# Altium PCB NURIP.PcbDoc (part 9 of 14) (continued)
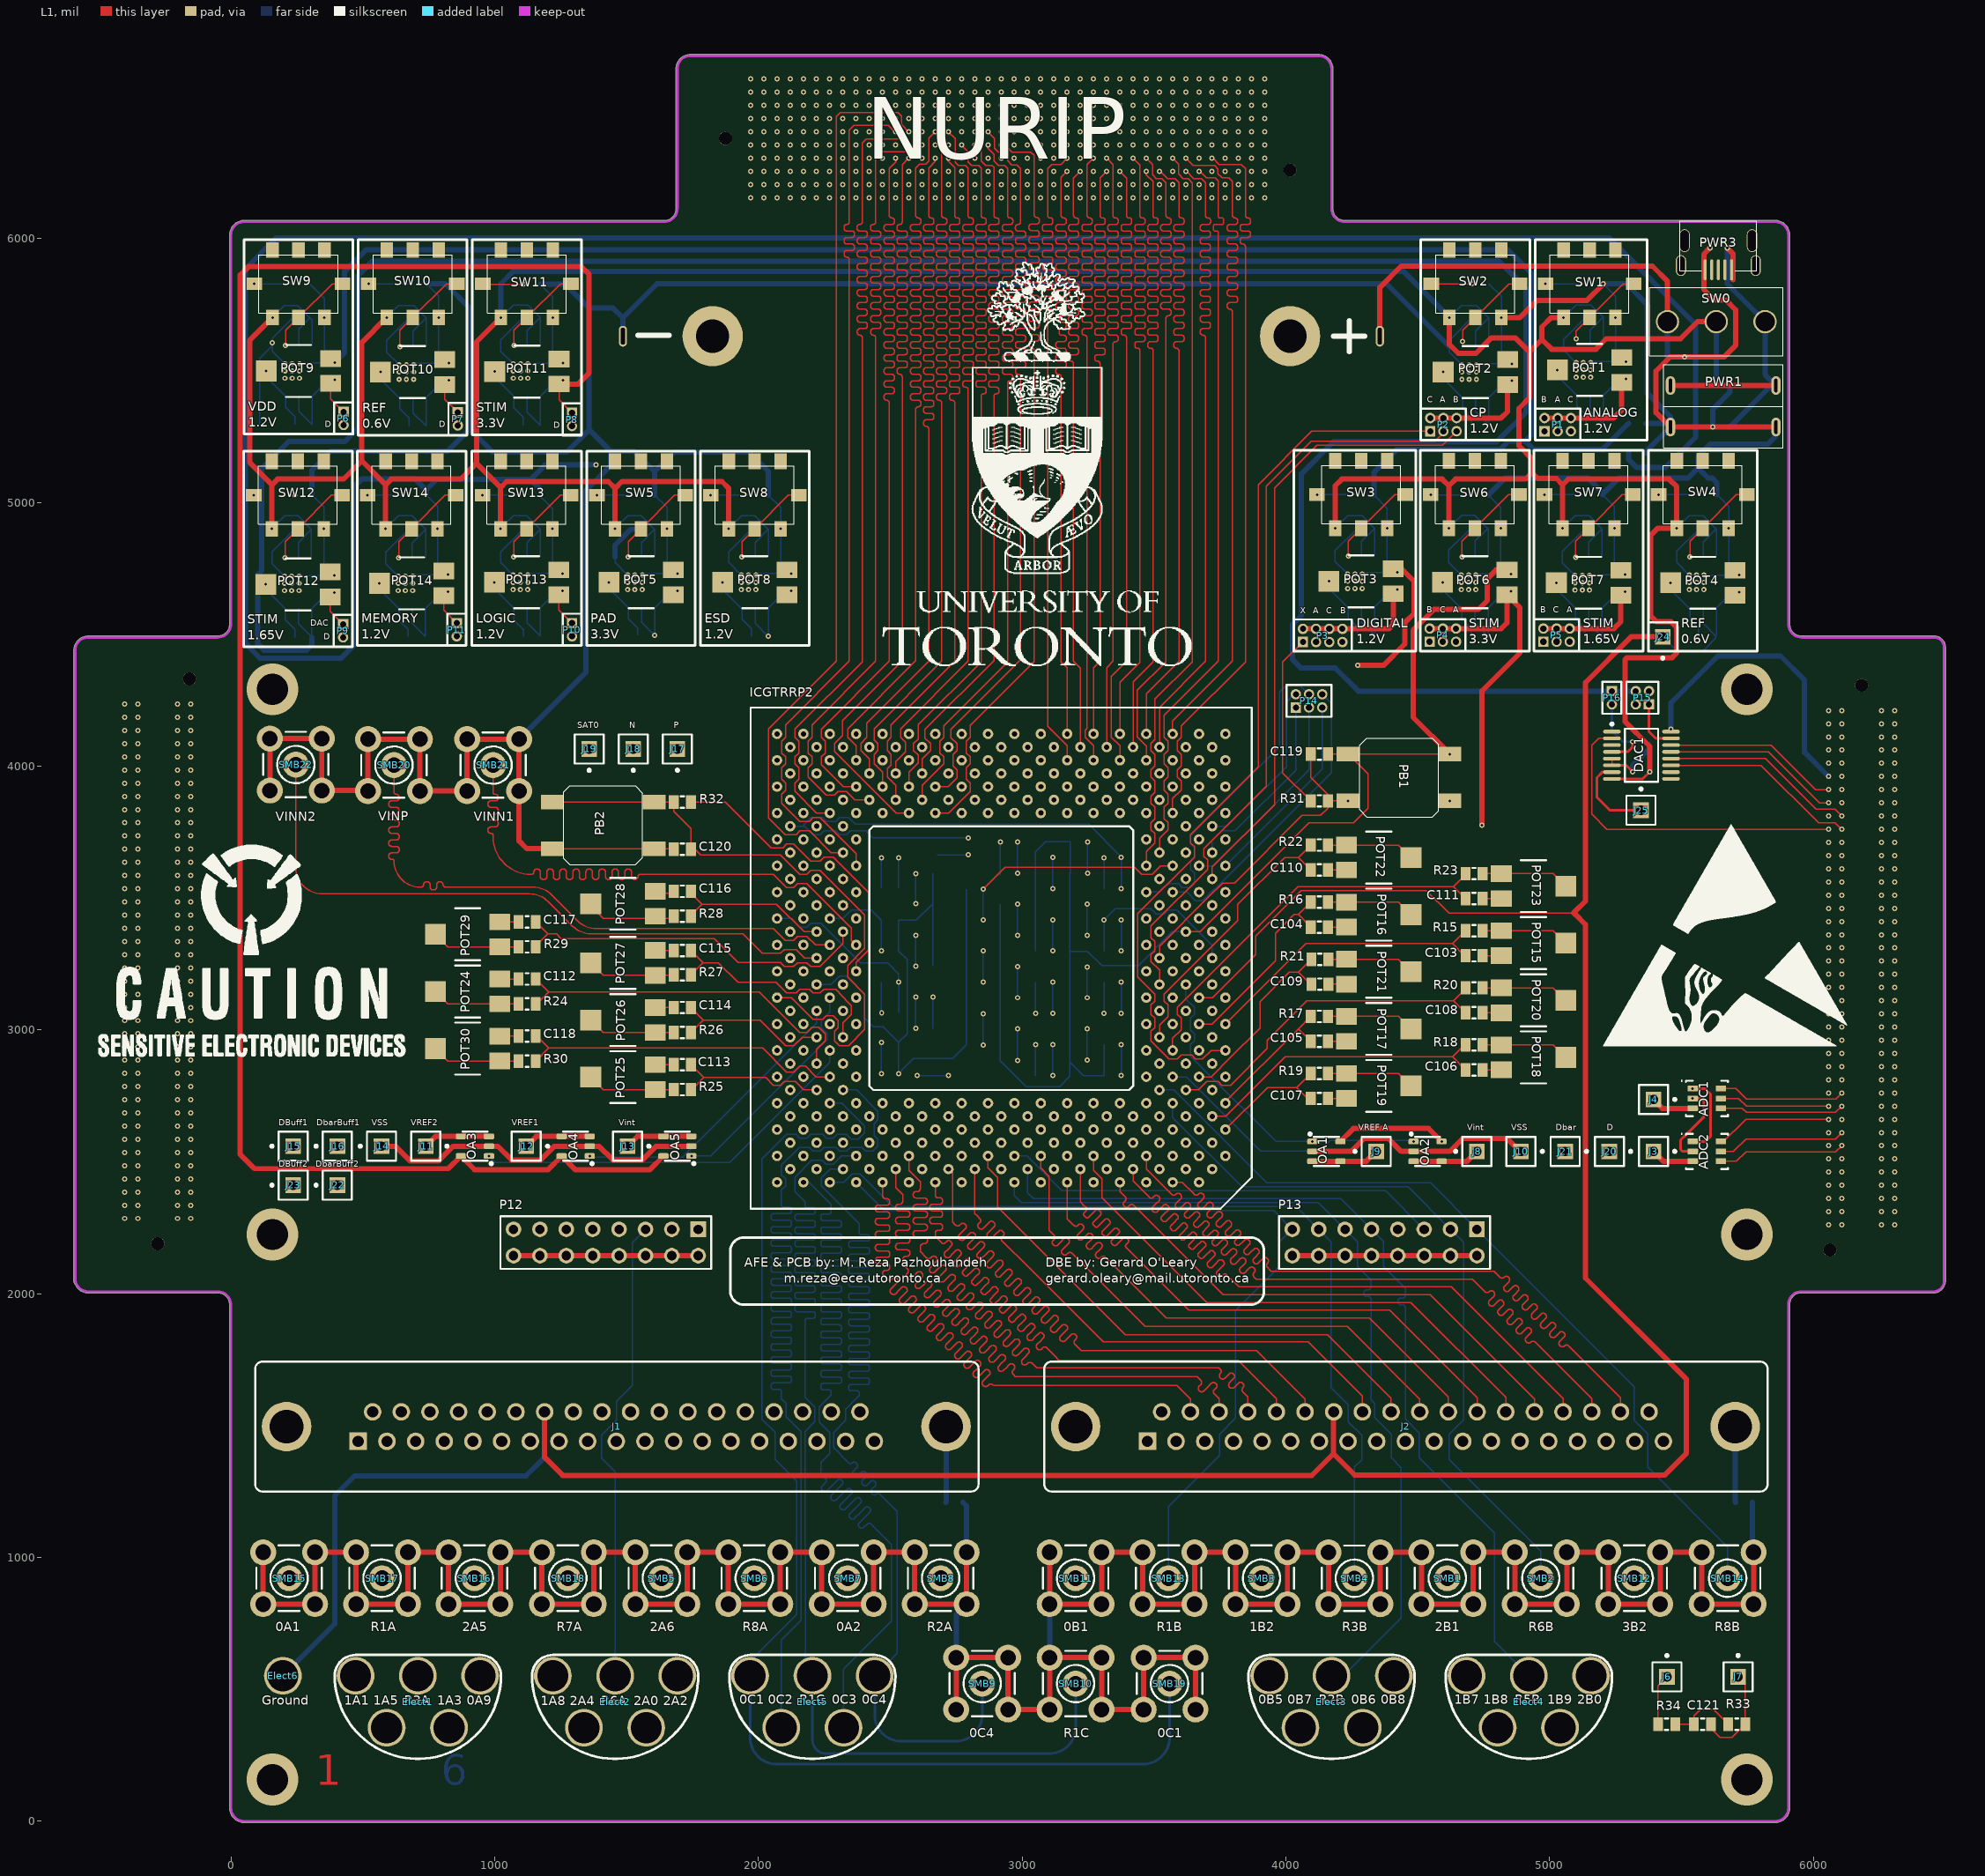
[diagram p0: L1 view]
## Nets (pads, with @x,y where several pads share a name; then routed paths per layer and width w, separated by ;. In a path a pad name is that pad's centre, name@x,y a point inside that pad or via, vN(x,y) a via of type N, cw(c..) or ccw(c..) an arc to the next point about the centre after c; other vN are vias at no path point) (continued)
I_UP2: C113.1 ICGTRRP2.H32 R25.1 | length 596.2
  L1 w5: R25.1@1744.09,2773.62 1748.03,2773.62 1793.31,2818.9 ; C113.1@1744.09,2868.11 1793.31,2818.9 ; ICGTRRP2.H32@2220.71,2772.2 2172.68,2772.2 2140.49,2804.39 2098.41,2804.39 2084.04,2790.02 2057.38,2790.02 2028.5,2818.9 1793.31,2818.9
I_UP_A: C110.1 ICGTRRP2.M6 R22.1 | length 1074.9
  L1 w5: ICGTRRP2.M6@3520.71,2972.2 3520.71,3017.72 3552.89,3049.91 3552.89,3094.5 3538.52,3108.87 3538.52,3135.54 3817.89,3414.91 3817.89,3475.37 3996.06,3653.54 4047.24,3653.54 ; C110.1@4094.49,3606.3 4047.24,3653.54 ; R22.1@4094.49,3700.79 4047.24,3653.54
I_UP_B: C107.1 ICGTRRP2.E1 R19.1 | length 482
  L1 w5: ICGTRRP2.E1@3770.71,2622.2 3930,2781.5 4041.34,2781.5 ; C107.1@4094.49,2740.16 4082.68,2740.16 4041.34,2781.5 ; R19.1@4094.49,2834.65 4041.34,2781.5
I_UP_C: C103.1 ICGTRRP2.N1 R15.1 | length 1124.9
  L1 w5: ICGTRRP2.N1@3770.71,3022.2 4075.28,3326.77 4631.89,3326.77 ; C103.1@4681.1,3281.5 4677.17,3281.5 4631.89,3326.77 ; R15.1@4681.1,3375.98 4631.89,3326.77
L\D\A\C\: DAC1.11 FMC2.G10 | length 747.7
  L1 w5: DAC1.11@5460.63,4002.95 5802.17,4002.95 6019.68,3785.43 6082.64,3785.43 6107.2,3760.87 v1(6108.07,3760.87)
LOAD_SPI: FMC2.G21 ICGTRRP2.U5 | length 2843.4
  L4 w5: ICGTRRP2.U5@3570.71,3222.2 3625.19,3222.2 3657.38,3254.39 3684.04,3254.39 3698.41,3240.02 3743.01,3240.02 3757.38,3254.39 3818.44,3254.39 3848.43,3224.41 5554.58,3224.41 cw(c5554.58,3218.54) 5560.45,3218.54 ccw(c5570.33,3218.54) 5570.33,3208.66 5575.26,3208.66 ccw(c5575.26,3218.54) 5585.14,3218.54 5585.14,3227.05 cw(c5595.01,3227.05) 5595.01,3236.92 5599.95,3236.92 cw(c5599.95,3227.05) 5609.82,3227.05 5609.82,3218.54 ccw(c5619.7,3218.54) 5619.7,3208.66 5624.63,3208.66 ccw(c5624.63,3218.54) 5634.51,3218.54 5634.51,3227.05 cw(c5644.38,3227.05) 5644.38,3236.92 5649.32,3236.92 cw(c5649.32,3227.05) 5659.19,3227.05 5659.19,3218.54 ccw(c5669.07,3218.54) 5669.07,3208.66 5674,3208.66 ccw(c5674,3218.54) 5683.88,3218.54 5683.88,3227.05 cw(c5693.75,3227.05) 5693.75,3236.92 5698.69,3236.92 cw(c5698.69,3227.05) 5708.56,3227.05 5708.56,3218.54 ccw(c5718.44,3218.54) 5718.44,3208.66 5723.37,3208.66 ccw(c5723.37,3218.54) 5733.25,3218.54 5733.25,3227.05 cw(c5743.12,3227.05) 5743.12,3236.92 5748.06,3236.92 cw(c5748.06,3227.05) 5757.93,3227.05 5757.93,3218.54 ccw(c5767.81,3218.54) 5767.81,3208.66 5772.74,3208.66 ccw(c5772.74,3218.54) 5782.62,3218.54 5782.62,3227.05 cw(c5792.49,3227.05) 5792.49,3236.92 5797.43,3236.92 cw(c5797.43,3227.05) 5807.3,3227.05 5807.3,3218.54 ccw(c5817.18,3218.54) 5817.18,3208.66 5822.11,3208.66 ccw(c5822.11,3218.54) 5831.99,3218.54 5831.99,3227 cw(c5841.86,3227) 5841.86,3236.87 5846.8,3236.87 cw(c5846.8,3227) 5856.67,3227 5856.67,3218.54 ccw(c5866.55,3218.54) 5866.55,3208.66 5871.48,3208.66 ccw(c5871.48,3218.54) 5881.36,3218.54 cw(c5887.23,3218.54) 5887.23,3224.41 6013.78,3224.41 6022.74,3233.37 6085.57,3233.37 v1(6108.07,3210.87)
N: FMC3.H29 ICGTRRP2.Y34 J18.1 | length 3473.3
  L2 w5: J18.1@1525.59,4064.96 1578.74,4064.96 2202.89,3440.81 2202.89,3399.91 2175.19,3372.2 ICGTRRP2.Y34@2120.71,3372.2
  L4 w5: v1(-152.56,3685.2) -140.59,3673.23 1722.44,3673.23 2023.46,3372.2 ICGTRRP2.Y34@2120.71,3372.2
NetADC1_3: ADC1.3 J4.1 | length 161.5
  L1 w20: J4.1@5393.7,2736.22 5427.17,2702.76 ADC1.3@5541.34,2702.76
NetADC2_3: ADC2.3 J3.1 | length 163.1
  L1 w20: J3.1@5393.7,2539.37 5431.1,2501.97 ADC2.3@5541.34,2501.97
NetC6_2: C6.2 LDO1.3 POT1.2 | length 249.6
  L6 w5: v1(5029.53,5501.97) 5029.53,5478.35 5102.95,5404.92 5102.95,5365.55 5137.8,5330.71 C6.2@5137.8,5297.24
NetC9_2: C9.2 LDO2.3 POT2.2 | length 244.8
  L6 w5: v1(4596.46,5494.09) 4596.46,5468.5 4669.88,5395.08 4669.88,5353.74 4702.76,5320.87 C9.2@4702.76,5293.31
NetC12_2: C12.2 LDO3.3 POT3.2 | length 249.7
  L6 w5: v1(4163.39,4700.79) 4163.39,4673.23 4200.1,4636.52 4200.34,4636.52 4236.81,4600.05 4236.81,4562.4 4271.65,4527.56 C12.2@4271.65,4496.06
NetC15_2: C15.2 LDO4.3 POT4.2 | length 245.1
  L6 w5: v1(5458.66,4694.88) 5458.66,4669.29 5495.37,4632.58 5495.81,4632.58 5532.28,4596.11 5532.28,4556.3 5564.96,4523.62 C15.2@5564.96,4494.09
NetC18_2: C18.2 LDO5.3 POT5.2 | length 245.6
  L6 w5: v1(1433.07,4696.85) 1433.07,4673.82 1506.5,4600.39 1506.5,4558.46 1541.34,4523.62 C18.2@1541.34,4496.06
NetC21_2: C21.2 LDO6.3 POT6.2 | length 249.7
  L6 w5: v1(4594.49,4696.85) 4594.49,4669.29 4631.2,4632.58 4631.44,4632.58 4667.91,4596.11 4667.91,4556.5 4702.76,4521.65 C21.2@4702.76,4492.13
NetC24_2: C24.2 LDO7.3 POT7.2 | length 249.6
  L6 w5: v1(5025.59,4694.88) 5025.59,4671.85 5099.02,4598.43 5099.02,4556.5 5133.86,4521.65 C24.2@5133.86,4490.16
NetC27_2: C27.2 LDO8.3 POT8.2 | length 249.7
  L6 w5: v1(1864.17,4696.85) 1864.17,4669.29 1900.89,4632.58 1901.13,4632.58 1937.6,4596.11 1937.6,4556.5 1972.44,4521.65 C27.2@1972.44,4492.13
NetC68_1: C68.1 C69.1 LDO9.1 LDO9.2 P6.1 POT9.3 | length 473.7
  L1 w5: POT9.3@377.95,5450.79 377.95,5392.52 P6.1@427.17,5343.31
  L6 w5: LDO9.2@257.28,5401.57 257.28,5345.08 C69.1@307.09,5295.28 307.09,5401.38 307.28,5401.57 370.28,5464.57 v1(393.7,5464.57)
NetC69_2: C69.2 LDO9.3 POT9.2 | length 247.6
  L6 w5: v1(133.86,5498.03) 133.86,5475 207.28,5401.57 207.28,5359.65 242.13,5324.8 C69.2@242.13,5295.28
NetC73_1: C73.1 C74.1 LDO10.1 LDO10.2 P7.1 POT10.3 | length 476.5
  L1 w5: POT10.3@811.02,5446.85 811.02,5390.55 P7.1@860.24,5341.34
  L6 w5: LDO10.2@690.35,5397.64 690.35,5339.17 C74.1@740.16,5289.37 740.35,5289.57 740.35,5397.64 805.31,5462.6 v1(826.77,5462.6)
NetC74_2: C74.2 LDO10.3 POT10.2 | length 249.7
  L6 w5: v1(566.93,5494.09) 566.93,5466.54 603.64,5429.82 603.88,5429.82 640.35,5393.35 640.35,5355.71 675.2,5320.87 C74.2@675.2,5289.37
NetC79_2: C79.2 LDO11.3 POT11.2 | length 249.6
  L6 w5: v1(1000,5496.06) 1000,5474.8 1073.23,5401.57 1073.23,5357.87 1108.27,5322.83 C79.2@1108.27,5291.34
NetC84_2: C84.2 LDO12.3 POT12.2 | length 246.4
  L6 w5: v1(131.89,4688.98) 131.89,4669.88 205.32,4596.46 205.32,4554.53 242.13,4517.72 C84.2@242.13,4488.19
NetC89_2: C89.2 LDO13.3 POT13.2 | length 250.4
  L6 w5: v1(999.02,4696.85) 999.02,4672.24 1072.44,4598.82 1072.44,4553.54 1109.25,4516.73 C89.2@1109.25,4492.13
NetC96_2: C96.2 LDO14.3 POT14.2 | length 245.6
  L6 w5: v1(562.99,4692.91) 562.99,4669.88 636.42,4596.46 636.42,4552.56 671.26,4517.72 C96.2@671.26,4492.13
NetC103_2: C103.2 POT15.1 | length 70.9
  L1 w5: C103.2@4746.06,3281.5 POT15.1@4816.93,3281.5
NetC104_2: C104.2 POT16.1 | length 70.9
  L1 w5: C104.2@4159.45,3389.76 POT16.1@4230.31,3389.76
NetC105_2: C105.2 POT17.1 | length 70.9
  L1 w5: C105.2@4159.45,2956.69 POT17.1@4230.31,2956.69
NetC106_2: C106.2 POT18.1 | length 70.9
  L1 w5: C106.2@4746.06,2848.43 POT18.1@4816.93,2848.43
NetC107_2: C107.2 POT19.1 | length 70.9
  L1 w5: C107.2@4159.45,2740.16 POT19.1@4230.31,2740.16
NetC108_2: C108.2 POT20.1 | length 70.9
  L1 w5: C108.2@4746.06,3064.96 POT20.1@4816.93,3064.96
NetC109_2: C109.2 POT21.1 | length 68.9
  L1 w5: C109.2@4161.42,3173.23 POT21.1@4230.31,3173.23
NetC110_2: C110.2 POT22.1 | length 70.9
  L1 w5: C110.2@4159.45,3606.3 POT22.1@4230.31,3606.3
NetC111_2: C111.2 POT23.1 | length 70.9
  L1 w5: C111.2@4746.06,3498.03 POT23.1@4816.93,3498.03
NetC112_2: C112.2 POT24.1 | length 70.9
  L1 w5: POT24.1@1019.69,3192.91 C112.2@1090.55,3192.91
NetC113_2: C113.2 POT25.1 | length 70.9
  L1 w5: POT25.1@1608.27,2868.11 C113.2@1679.13,2868.11
NetC114_2: C114.2 POT26.1 | length 70.9
  L1 w5: POT26.1@1608.27,3084.65 C114.2@1679.13,3084.65
NetC115_2: C115.2 POT27.1 | length 70.9
  L1 w5: POT27.1@1608.27,3301.18 C115.2@1679.13,3301.18
NetC116_2: C116.2 POT28.1 | length 70.9
  L1 w5: POT28.1@1608.27,3517.72 C116.2@1679.13,3517.72
NetC117_2: C117.2 POT29.1 | length 70.9
  L1 w5: POT29.1@1019.69,3409.45 C117.2@1090.55,3409.45
NetC118_2: C118.2 POT30.1 | length 70.9
  L1 w5: POT30.1@1019.69,2976.38 C118.2@1090.55,2976.38
NetC121_1: C121.1 J7.1 R33.2 | length 373.2
  L1 w5: C121.1@5612.2,368.11 5612.2,350.39 5645.67,316.93 5690.94,316.93 R33.2@5742.13,368.11 5742.13,519.69 J7.1@5714.57,547.24
NetC121_2: C121.2 R33.1 R34.2 | length 264.9
  L1 w5: R34.2@5476.38,368.11 C121.2@5547.24,368.11 5547.24,399.61 5570.87,423.23 5622.05,423.23 R33.1@5677.17,368.11
NetC122_1: C122.1 DAC1.4 P16.2 | length 302.4
  L1 w10: DAC1.4@5236.22,4054.13 5296.26,4054.13 5314.96,4072.83 v1(5314.96,4092.52)
  L6 w10: P16.2@5236.22,4234.25 5236.22,4133.86 5277.56,4092.52 v1(5314.96,4092.52)
NetDAC1_7: DAC1.7 J25.1 | length 328.2
  L1 w10: DAC1.7@5236.22,3977.36 5199.8,3977.36 5179.13,3956.69 5179.13,3881.89 5228.35,3832.68 J25.1@5346.46,3832.68
NetDAC1_15: DAC1.15 P15.1 P15.3 | length 247.7
  L1 w10: P15.3@5376.77,4284.25 P15.1@5376.77,4234.25 5376.77,4131.1 5402.56,4105.31 DAC1.15@5460.63,4105.31
NetJ1_GND: J1.GND R36.1 | length 287.8
  L6 w20: R36.1@2710.63,1208.66 2711.5,1209.53 J1.GND@2711.5,1496.07
NetJ2_GND: J2.GND R35.1 | length 287.9
  L6 w20: J2.GND@5703.62,1496.07 5703.62,1209.76 R35.1@5704.72,1208.66
NetJ6_1: J6.1 R34.1 | length 193
  L1 w5: R34.1@5411.42,368.11 5411.42,513.78 J6.1@5444.88,547.24
NetJ8_1: J8.1 OA2.3 OA2.4 | length 255.6
  L1 w20: OA2.3@4484.25,2501.97 OA2.4@4590.55,2501.97 4687.01,2501.97 J8.1@4724.41,2539.37
NetJ9_1: J9.1 OA1.3 OA1.4 | length 257.6
  L1 w20: OA1.3@4100.39,2501.97 OA1.4@4206.69,2501.97 4305.12,2501.97 J9.1@4342.52,2539.37
NetJ11_1: J11.1 OA3.3 OA3.4 | length 255.6
  L1 w20: J11.1@738.19,2559.06 775.59,2596.46 OA3.4@872.05,2596.46 OA3.3@978.35,2596.46
NetJ12_1: J12.1 OA4.3 OA4.4 | length 255.6
  L1 w20: J12.1@1120.08,2559.06 1157.48,2596.46 OA4.4@1253.94,2596.46 OA4.3@1360.24,2596.46
NetJ13_1: J13.1 OA5.3 OA5.4 | length 257.6
  L1 w20: J13.1@1503.94,2559.06 1541.34,2596.46 OA5.4@1639.76,2596.46 OA5.3@1746.06,2596.46
NetLDO1_6: LDO1.6 SW1.2 SW1.7 | length 322.2
  L1 w5: v1(5100.39,5620.08) 5100.39,5649.61 SW1.2@5151.57,5700.79 5279.53,5828.74 SW1.7@5318.9,5828.74
NetLDO2_6: LDO2.6 SW2.2 SW2.7 | length 331
  L1 w5: v1(4669.88,5610.24) 4669.88,5652.17 SW2.2@4718.5,5700.79 4846.46,5828.74 SW2.7@4885.83,5828.74
NetLDO3_6: LDO3.6 SW3.2 SW3.7 | length 344.8
  L1 w5: v1(4236.81,4797.24) 4236.81,4852.95 SW3.2@4285.43,4901.57 4413.39,5029.53 SW3.7@4452.76,5029.53
NetLDO4_6: LDO4.6 SW4.2 SW4.7 | length 348.6
  L1 w5: v1(5532.28,4793.31) 5532.28,4853.15 SW4.2@5580.71,4901.57 5708.66,5029.53 SW4.7@5748.03,5029.53
NetLDO5_6: LDO5.6 SW5.2 SW5.7 | length 346.8
  L1 w5: v1(1506.5,4793.31) 1506.5,4850.98 SW5.2@1555.12,4899.61 1683.07,5027.56 SW5.7@1722.44,5027.56
NetLDO6_6: LDO6.6 SW6.2 SW6.7 | length 348.7
  L1 w5: v1(4667.91,4793.31) 4667.91,4852.95 SW6.2@4716.54,4901.57 4844.49,5029.53 SW6.7@4883.86,5029.53
NetLDO7_6: LDO7.6 SW7.2 SW7.7 | length 350.7
  L1 w5: v1(5099.02,4791.34) 5099.02,4852.95 SW7.2@5147.64,4901.57 5275.59,5029.53 SW7.7@5314.96,5029.53
NetLDO8_6: LDO8.6 SW8.2 SW8.7 | length 346.8
  L1 w5: v1(1937.6,4793.31) 1937.6,4850.98 SW8.2@1986.22,4899.61 2114.17,5027.56 SW8.7@2153.54,5027.56
NetLDO9_6: LDO9.6 SW9.2 SW9.7 | length 346.8
  L1 w5: v1(207.28,5594.49) 207.28,5652.17 SW9.2@255.91,5700.79 383.86,5828.74 SW9.7@423.23,5828.74
NetLDO10_6: LDO10.6 SW10.2 SW10.7 | length 350.7
  L1 w5: v1(640.35,5590.55) 640.35,5652.17 SW10.2@688.98,5700.79 816.93,5828.74 SW10.7@856.3,5828.74
NetLDO11_6: LDO11.6 SW11.2 SW11.7 | length 346.8
  L1 w5: v1(1073.23,5594.49) 1073.23,5651.97 SW11.2@1122.05,5700.79 1250,5828.74 SW11.7@1289.37,5828.74
NetLDO12_6: LDO12.6 SW12.2 SW12.7 | length 350.7
  L1 w5: v1(205.32,4789.37) 205.32,4850.98 SW12.2@253.94,4899.61 381.89,5027.56 SW12.7@421.26,5027.56
NetLDO13_6: LDO13.6 SW13.2 SW13.7 | length 346.8
  L1 w5: v1(1072.44,4793.31) 1072.44,4850.98 SW13.2@1121.06,4899.61 1249.02,5027.56 SW13.7@1288.39,5027.56
NetLDO14_6: LDO14.6 SW14.2 SW14.7 | length 350.7
  L1 w5: v1(636.42,4789.37) 636.42,4850.98 SW14.2@685.04,4899.61 812.99,5027.56 SW14.7@852.36,5027.56
NetP12_2: P12.2 P12.4 P12.6 P12.8 P12.10 P12.12 P12.14 P12.16 | length 700
  L1 w20: P12.16@1071.65,2144.09 P12.14@1171.65,2144.09 P12.12@1271.65,2144.09 P12.10@1371.65,2144.09 P12.8@1471.65,2144.09 P12.6@1571.65,2144.09 P12.4@1671.65,2144.09 P12.2@1771.65,2144.09
NetP13_2: P13.2 P13.4 P13.6 P13.8 P13.10 P13.12 P13.14 P13.16 | length 700
  L1 w20: P13.16@4024.41,2144.09 P13.14@4124.41,2144.09 P13.12@4224.41,2144.09 P13.10@4324.41,2144.09 P13.8@4424.41,2144.09 P13.6@4524.41,2144.09 P13.4@4624.41,2144.09 P13.2@4724.41,2144.09
NetPOT15_2: POT15.2 POT15.3 R15.2 | length 334.5
  L1 w5: R15.2@4746.06,3375.98 POT15.3@4816.93,3375.98 5013.78,3375.98 POT15.2@5061.02,3328.74
NetPOT16_2: POT16.2 POT16.3 R16.2 | length 334.5
  L1 w5: R16.2@4159.45,3484.25 POT16.3@4230.31,3484.25 4427.17,3484.25 POT16.2@4474.41,3437.01
NetPOT17_2: POT17.2 POT17.3 R17.2 | length 334.5
  L1 w5: R17.2@4159.45,3051.18 POT17.3@4230.31,3051.18 4427.17,3051.18 POT17.2@4474.41,3003.94
NetPOT18_2: POT18.2 POT18.3 R18.2 | length 334.5
  L1 w5: R18.2@4746.06,2942.91 POT18.3@4816.93,2942.91 5013.78,2942.91 POT18.2@5061.02,2895.67
NetPOT19_2: POT19.2 POT19.3 R19.2 | length 334.5
  L1 w5: R19.2@4159.45,2834.65 POT19.3@4230.31,2834.65 4427.17,2834.65 POT19.2@4474.41,2787.4
NetPOT20_2: POT20.2 POT20.3 R20.2 | length 334.5
  L1 w5: R20.2@4746.06,3159.45 POT20.3@4816.93,3159.45 5013.78,3159.45 POT20.2@5061.02,3112.2
NetPOT21_2: POT21.2 POT21.3 R21.2 | length 332.6
  L1 w5: R21.2@4161.42,3267.72 POT21.3@4230.31,3267.72 4427.17,3267.72 POT21.2@4474.41,3220.47
NetPOT22_2: POT22.2 POT22.3 R22.2 | length 334.5
  L1 w5: R22.2@4159.45,3700.79 POT22.3@4230.31,3700.79 4427.17,3700.79 POT22.2@4474.41,3653.54
NetPOT23_2: POT23.2 POT23.3 R23.2 | length 334.5
  L1 w5: R23.2@4746.06,3592.52 POT23.3@4816.93,3592.52 5013.78,3592.52 POT23.2@5061.02,3545.28
NetPOT24_2: POT24.2 POT24.3 R24.2 | length 334.5
  L1 w5: POT24.2@775.59,3145.67 822.83,3098.43 POT24.3@1019.69,3098.43 R24.2@1090.55,3098.43
NetPOT25_2: POT25.2 POT25.3 R25.2 | length 334.5
  L1 w5: POT25.2@1364.17,2820.87 1411.42,2773.62 POT25.3@1608.27,2773.62 R25.2@1679.13,2773.62
NetPOT26_2: POT26.2 POT26.3 R26.2 | length 334.5
  L1 w5: POT26.2@1364.17,3037.4 1411.42,2990.16 POT26.3@1608.27,2990.16 R26.2@1679.13,2990.16
NetPOT27_2: POT27.2 POT27.3 R27.2 | length 335.3
  L1 w5: POT27.2@1364.17,3253.94 1411.42,3206.69 POT27.3@1608.27,3206.69 1677.17,3206.69 R27.2@1679.13,3208.66
NetPOT28_2: POT28.2 POT28.3 R28.2 | length 334.5
  L1 w5: POT28.2@1364.17,3470.47 1411.42,3423.23 R28.2@1679.13,3423.23
NetPOT29_2: POT29.2 POT29.3 R29.2 | length 334.5
  L1 w5: POT29.2@775.59,3362.2 822.83,3314.96 POT29.3@1019.69,3314.96 R29.2@1090.55,3314.96
NetPOT30_2: POT30.2 POT30.3 R30.2 | length 334.5
  L1 w5: POT30.2@775.59,2929.13 822.83,2881.89 POT30.3@1019.69,2881.89 R30.2@1090.55,2881.89
NetR1_2: R1.2 SW1.8 | length 153.5
  L6 w5: v1(4984.25,5828.74) R1.2@5137.8,5828.74
NetR2_2: R2.2 SW2.8 | length 153.5
  L1 w5: SW2.8@4551.18,5828.74 v1(4704.72,5828.74)
NetR3_2: R3.2 SW3.8 | length 152.4
  L6 w5: v1(4118.11,5029.53) 4267.72,5029.53 R3.2@4269.69,5027.56
NetR4_2: R4.2 SW4.8 | length 155.5
  L6 w5: v1(5413.39,5029.53) R4.2@5568.9,5029.53
NetR5_2: R5.2 SW5.8 | length 153.5
  L6 w5: v1(1387.8,5027.56) R5.2@1541.34,5027.56
NetR6_2: R6.2 SW6.8 | length 154.4
  L6 w5: v1(4549.21,5029.53) 4551.18,5027.56 R6.2@4702.76,5027.56
NetR7_2: R7.2 SW7.8 | length 155.5
  L6 w5: v1(4980.31,5029.53) R7.2@5135.83,5029.53
NetR8_2: R8.2 SW8.8 | length 153.5
  L6 w5: v1(1818.9,5027.56) R8.2@1972.44,5027.56
NetR9_2: R9.2 SW9.8 | length 145.7
  L6 w5: v1(88.58,5828.74) R9.2@234.25,5828.74
NetR10_2: R10.2 SW10.8 | length 155.5
  L6 w5: v1(521.65,5828.74) R10.2@677.17,5828.74
NetR11_2: R11.2 SW11.8 | length 151.6
  L1 w5: SW11.8@956.69,5826.77 v1(1108.27,5826.77)
NetR12_2: R12.2 SW12.8 | length 155.5
  L3 w5: v1(86.61,5027.56) v1(242.13,5027.56)
NetR13_2: R13.2 SW13.8 | length 149.6
  L6 w5: v1(953.74,5027.56) R13.2@1103.35,5027.56
NetR14_2: R14.2 SW14.8 | length 157.5
  L6 w5: v1(517.72,5027.56) R14.2@675.2,5027.56
OA_3p3: C78.1 C79.1 LDO11.1 LDO11.2 OA3.5 OA4.5 OA5.5 P8.1 POT11.3 | length 7402.1
  L1 w5: POT11.3@1244.09,5448.82 1244.09,5388.58 P8.1@1293.31,5339.37
  L1 w20: POT11.3@1244.09,5448.82 1316.93,5448.82 1358.27,5490.16 1358.27,5864.17 1328.74,5893.7 66.93,5893.7 35.43,5862.2 35.43,2527.56 89.06,2473.94 824.33,2473.94 OA3.5@872.05,2521.65 923.23,2470.47 1202.76,2470.47 OA4.5@1253.94,2521.65 1305.12,2470.47 1588.58,2470.47 OA5.5@1639.76,2521.65
  L6 w5: LDO11.2@1123.23,5401.57 1123.23,5341.34 C79.1@1173.23,5291.34 1173.23,5401.57 1234.25,5462.6 v1(1259.84,5462.6)
OFF_MEM_ADDR(0): FMC1.K11 ICGTRRP2.AG35 | length 3004.3
  L5 w5: ICGTRRP2.AG35@2070.71,3722.2 2070.71,3776.69 2038.52,3808.87 2038.52,4157.48 2470.24,4589.19 2470.24,5674.61 ccw(c2461.6,5674.61) 2461.6,5683.25 2459.33,5683.25 cw(c2459.33,5691.89) 2450.69,5691.89 2450.69,5699.29 cw(c2459.33,5699.29) 2459.33,5707.93 2481.14,5707.93 ccw(c2481.14,5716.57) 2489.78,5716.57 2489.78,5723.98 ccw(c2481.14,5723.98) 2481.14,5732.62 2459.33,5732.62 cw(c2459.33,5741.26) 2450.69,5741.26 2450.69,5748.66 cw(c2459.33,5748.66) 2459.33,5757.3 2481.14,5757.3 ccw(c2481.14,5765.94) 2489.78,5765.94 2489.78,5773.35 ccw(c2481.14,5773.35) 2481.14,5781.99 2459.33,5781.99 cw(c2459.33,5790.63) 2450.69,5790.63 2450.69,5798.03 cw(c2459.33,5798.03) 2459.33,5806.67 2481.14,5806.67 ccw(c2481.14,5815.31) 2489.78,5815.31 2489.78,5822.72 ccw(c2481.14,5822.72) 2481.14,5831.36 2468.48,5831.36 cw(c2468.48,5840) 2459.84,5840 2459.84,5847.4 cw(c2468.48,5847.4) 2468.48,5856.04 2481.14,5856.04 ccw(c2481.14,5864.68) 2489.78,5864.68 2489.78,5872.09 ccw(c2481.14,5872.09) 2481.14,5880.73 2468.48,5880.73 cw(c2468.48,5889.37) 2459.84,5889.37 2459.84,5896.77 cw(c2468.48,5896.77) 2468.48,5905.41 2481.14,5905.41 ccw(c2481.14,5914.05) 2489.78,5914.05 2489.78,5921.46 ccw(c2481.14,5921.46) 2481.14,5930.1 2468.48,5930.1 cw(c2468.48,5938.74) 2459.84,5938.74 2459.84,5946.14 cw(c2468.48,5946.14) 2468.48,5954.78 2481.14,5954.78 ccw(c2481.14,5963.42) 2489.78,5963.42 2489.78,5970.83 ccw(c2481.14,5970.83) 2481.14,5979.47 2468.48,5979.47 cw(c2468.48,5988.11) 2459.84,5988.11 2459.84,5995.51 cw(c2468.48,5995.51) 2468.48,6004.15 2481.14,6004.15 ccw(c2481.14,6012.79) 2489.78,6012.79 2489.78,6020.2 ccw(c2481.14,6020.2) 2481.14,6028.84 2468.31,6028.84 cw(c2468.31,6037.48) 2459.67,6037.48 2459.67,6044.88 cw(c2468.31,6044.88) 2468.31,6053.52 ccw(c2468.31,6055.45) 2470.24,6055.45 v1(2470.24,6154.92)
OFF_MEM_ADDR(1): FMC1.J10 ICGTRRP2.AF34 | length 2996.8
  L5 w5: ICGTRRP2.AF34@2120.71,3672.2 2071.89,3672.2 2023.52,3720.57 2023.52,4165.26 2431.1,4572.83 2431.1,5822.72 ccw(c2422.46,5822.72) 2422.46,5831.36 2421.16,5831.36 cw(c2421.16,5840) 2412.52,5840 2412.52,5847.4 cw(c2421.16,5847.4) 2421.16,5856.04 2441.04,5856.04 ccw(c2441.04,5864.68) 2449.68,5864.68 2449.68,5872.09 ccw(c2441.04,5872.09) 2441.04,5880.73 2431.1,5880.73 cw(c2431.1,5889.37) 2422.46,5889.37 2422.46,5896.77 cw(c2431.1,5896.77) 2431.1,5905.41 2441.04,5905.41 ccw(c2441.04,5914.05) 2449.68,5914.05 2449.68,5921.46 ccw(c2441.04,5921.46) 2441.04,5930.1 2431.1,5930.1 cw(c2431.1,5938.74) 2422.46,5938.74 2422.46,5946.14 cw(c2431.1,5946.14) 2431.1,5954.78 2441.04,5954.78 ccw(c2441.04,5963.42) 2449.68,5963.42 2449.68,5970.83 ccw(c2441.04,5970.83) 2441.04,5979.47 2431.1,5979.47 cw(c2431.1,5988.11) 2422.46,5988.11 2422.46,5995.51 cw(c2431.1,5995.51) 2431.1,6004.15 2441.04,6004.15 ccw(c2441.04,6012.79) 2449.68,6012.79 2449.68,6020.2 ccw(c2441.04,6020.2) 2441.04,6028.84 2431.1,6028.84 cw(c2431.1,6037.48) 2422.46,6037.48 2422.46,6044.88 cw(c2431.1,6044.88) 2431.1,6053.52 2441.04,6053.52 ccw(c2441.04,6062.16) 2449.68,6062.16 2449.68,6069.57 ccw(c2441.04,6069.57) 2441.04,6078.21 2439.74,6078.21 cw(c2439.74,6086.85) 2431.1,6086.85 2431.1,6104.33 2444.88,6118.11 2444.88,6180.28 v1(2420.24,6204.92)
OFF_MEM_ADDR(2): FMC1.K10 ICGTRRP2.AE33 | length 3003.8
  L5 w5: ICGTRRP2.AE33@2170.71,3622.2 2125.19,3622.2 2090.19,3657.2 2065.68,3657.2 2007.87,3715.01 2007.87,4171.26 2391.73,4555.12 2391.73,5876.93 ccw(c2387.93,5876.93) 2387.93,5880.73 cw(c2387.93,5888.13) 2380.53,5888.13 2380.53,5898.01 cw(c2387.93,5898.01) 2387.93,5905.41 2404.05,5905.41 ccw(c2404.05,5912.82) 2411.46,5912.82 2411.46,5922.69 ccw(c2404.05,5922.69) 2404.05,5930.1 2387.93,5930.1 cw(c2387.93,5937.5) 2380.53,5937.5 2380.53,5947.38 cw(c2387.93,5947.38) 2387.93,5954.78 2404.05,5954.78 ccw(c2404.05,5962.19) 2411.46,5962.19 2411.46,5972.06 ccw(c2404.05,5972.06) 2404.05,5979.47 2387.93,5979.47 cw(c2387.93,5986.87) 2380.53,5986.87 2380.53,5996.75 cw(c2387.93,5996.75) 2387.93,6004.15 2404.05,6004.15 ccw(c2404.05,6011.56) 2411.46,6011.56 2411.46,6021.43 ccw(c2404.05,6021.43) 2404.05,6028.84 2387.93,6028.84 cw(c2387.93,6036.24) 2380.53,6036.24 2380.53,6046.12 cw(c2387.93,6046.12) 2387.93,6053.52 2404.05,6053.52 ccw(c2404.05,6060.93) 2411.46,6060.93 2411.46,6070.8 ccw(c2404.05,6070.8) 2404.05,6078.21 2399.14,6078.21 cw(c2399.14,6085.61) 2391.73,6085.61 2391.73,6126.42 v1(2420.24,6154.92)
OFF_MEM_ADDR(3): FMC1.J9 ICGTRRP2.AE35 | length 3004.2
  L5 w5: ICGTRRP2.AE35@2070.71,3622.2 2051.02,3622.2 1992.87,3680.35 1992.87,4177.91 2350.39,4535.43 2350.39,5847.4 cw(c2359.03,5847.4) 2359.03,5856.04 2361.36,5856.04 ccw(c2361.36,5864.68) 2370,5864.68 2370,5872.09 ccw(c2361.36,5872.09) 2361.36,5880.73 2339.43,5880.73 cw(c2339.43,5889.37) 2330.79,5889.37 2330.79,5896.77 cw(c2339.43,5896.77) 2339.43,5905.41 2361.36,5905.41 ccw(c2361.36,5914.05) 2370,5914.05 2370,5921.46 ccw(c2361.36,5921.46) 2361.36,5930.1 2350.04,5930.1 cw(c2350.04,5938.74) 2341.4,5938.74 2341.4,5946.14 cw(c2350.04,5946.14) 2350.04,5954.78 2361.36,5954.78 ccw(c2361.36,5963.42) 2370,5963.42 2370,5970.83 ccw(c2361.36,5970.83) 2361.36,5979.47 2350.04,5979.47 cw(c2350.04,5988.11) 2341.4,5988.11 2341.4,5995.51 cw(c2350.04,5995.51) 2350.04,6004.15 2361.36,6004.15 ccw(c2361.36,6012.79) 2370,6012.79 2370,6020.2 ccw(c2361.36,6020.2) 2361.36,6028.84 2350.04,6028.84 cw(c2350.04,6037.48) 2341.4,6037.48 2341.4,6044.88 cw(c2350.04,6044.88) 2350.04,6053.52 2361.36,6053.52 ccw(c2361.36,6062.16) 2370,6062.16 2370,6069.57 ccw(c2361.36,6069.57) 2361.36,6078.21 2359.03,6078.21 cw(c2359.03,6086.85) 2350.39,6086.85 2350.39,6125.98 2342.74,6133.64 2342.74,6177.42 v1(2370.24,6204.92)
OFF_MEM_ADDR(4): FMC1.K8 ICGTRRP2.AD34 | length 2988.7
  L5 w5: ICGTRRP2.AD34@2120.71,3572.2 2073.46,3572.2 1972.44,3673.23 1972.44,4181.1 2311.02,4519.69 2311.02,5922.69 ccw(c2303.62,5922.69) 2303.62,5930.1 2298.7,5930.1 cw(c2298.7,5937.5) 2291.3,5937.5 2291.3,5947.38 cw(c2298.7,5947.38) 2298.7,5954.78 2323.35,5954.78 ccw(c2323.35,5962.19) 2330.75,5962.19 2330.75,5972.06 ccw(c2323.35,5972.06) 2323.35,5979.47 2298.7,5979.47 cw(c2298.7,5986.87) 2291.3,5986.87 2291.3,5996.75 cw(c2298.7,5996.75) 2298.7,6004.15 2323.35,6004.15 ccw(c2323.35,6011.56) 2330.75,6011.56 2330.75,6021.43 ccw(c2323.35,6021.43) 2323.35,6028.84 2308.39,6028.84 cw(c2308.39,6036.24) 2300.98,6036.24 2300.98,6046.12 cw(c2308.39,6046.12) 2308.39,6053.52 2323.35,6053.52 ccw(c2323.35,6060.93) 2330.75,6060.93 2330.75,6070.8 ccw(c2323.35,6070.8) 2323.35,6078.21 2318.43,6078.21 cw(c2318.43,6085.61) 2311.02,6085.61 2311.02,6145.71 v1(2320.24,6154.92)
OFF_MEM_ADDR(5): FMC1.J7 ICGTRRP2.AC33 | length 3001.6
  L5 w5: ICGTRRP2.AC33@2170.71,3522.2 2116.23,3522.2 2084.04,3554.39 2067.66,3554.39 1957.44,3664.61 1957.44,4187.76 2271.52,4501.84 2271.52,6027.39 ccw(c2270.07,6027.39) 2270.07,6028.84 ; 2270.14,6028.84 2270.8,6028.84 ; v1(2270.24,6204.92) 2295.28,6179.88 2295.28,6134.12 2271.52,6110.37 2271.52,6086.85 ccw(c2280.16,6086.85) 2280.16,6078.21 2281.81,6078.21 cw(c2281.81,6069.57) 2290.45,6069.57 2290.45,6062.16 cw(c2281.81,6062.16) 2281.81,6053.52 2270.87,6053.52 ccw(c2270.87,6044.88) 2262.23,6044.88 2262.23,6037.48 ccw(c2270.87,6037.48) 2270.87,6028.84
OFF_MEM_ADDR(6): FMC1.K7 ICGTRRP2.AC35 | length 3010.5
  L5 w5: ICGTRRP2.AC35@2070.71,3522.2 1942.44,3650.47 1942.44,4194.41 2232.28,4484.25 2232.28,5895.56 cw(c2242.14,5895.56) 2241.84,5905.41 ; v1(2270.24,6154.92) 2232.28,6116.97 2232.28,6088.06 ccw(c2242.14,6088.06) 2242.14,6078.21 cw(c2242.14,6068.33) 2252.01,6068.33 2252.01,6063.4 cw(c2242.14,6063.4) 2242.14,6053.52 2230.75,6053.52 ccw(c2230.75,6043.65) 2220.87,6043.65 2220.87,6038.71 ccw(c2230.75,6038.71) 2230.75,6028.84 2241.79,6028.84 cw(c2241.79,6018.96) 2251.66,6018.96 2251.66,6014.03 cw(c2241.79,6014.03) 2241.79,6004.15 2222.78,6004.15 ccw(c2222.78,5994.28) 2212.91,5994.28 2212.91,5989.34 ccw(c2222.78,5989.34) 2222.78,5979.47 2241.79,5979.47 cw(c2241.79,5969.59) 2251.66,5969.59 2251.66,5964.66 cw(c2241.79,5964.66) 2241.79,5954.78 2222.78,5954.78 ccw(c2222.78,5944.91) 2212.91,5944.91 2212.91,5939.97 ccw(c2222.78,5939.97) 2222.78,5930.1 2241.79,5930.1 cw(c2241.79,5920.22) 2251.66,5920.22 2251.66,5915.29 cw(c2241.79,5915.29) 2242.09,5905.42 ; 2241.84,5905.41 cw(c2242.14,5895.56) 2242.09,5905.41 ; 2241.84,5905.41 ccw(c2241.79,5915.29) 2242.09,5905.42 ; 2241.84,5905.41 2242.09,5905.41
OFF_MEM_ADDR(7): FMC1.J6 ICGTRRP2.AB34 | length 3000
  L5 w5: ICGTRRP2.AB34@2120.71,3472.2 2102.89,3490.02 2057.38,3490.02 1927.44,3619.96 1927.44,4201.06 2195.73,4469.35 2195.73,6021.43 ccw(c2188.32,6021.43) 2188.32,6028.84 ; 2189.2,6028.84 cw(c2189.2,6036.24) 2181.8,6036.24 2181.8,6046.12 cw(c2189.2,6046.12) 2189.2,6053.52 2203.13,6053.52 ccw(c2203.13,6060.93) 2210.54,6060.93 2210.54,6070.8 ccw(c2203.13,6070.8) 2203.13,6078.21 cw(c2203.13,6085.61) 2195.73,6085.61 2195.73,6180.41 v1(2220.24,6204.92)
OFF_MEM_ADDR(8): FMC1.J15 ICGTRRP2.AG31 | length 3001.7
  L5 w5: ICGTRRP2.AG31@2270.71,3722.2 2270.71,3772.68 2302.89,3804.86 2302.89,3844.5 2288.52,3858.87 2288.52,3885.54 2302.89,3899.91 2302.89,3944.5 2288.52,3958.87 2288.52,3985.54 2302.89,3999.91 2302.89,4044.5 2288.52,4058.87 2288.52,4085.54 2305.12,4102.13 2305.12,4155.51 2663.39,4513.78 2663.39,5698.08 cw(c2673.24,5698.08) 2673.24,5707.93 ccw(c2673.24,5717.81) 2683.11,5717.81 2683.11,5722.74 ccw(c2673.24,5722.74) 2673.24,5732.62 2663.39,5732.62 cw(c2663.39,5740.81) 2655.19,5740.81 2655.19,5749.11 cw(c2663.39,5749.11) 2663.39,5757.3 2673.24,5757.3 ccw(c2673.24,5767.18) 2683.11,5767.18 2683.11,5772.11 ccw(c2673.24,5772.11) 2673.24,5781.99 2663.39,5781.99 cw(c2663.39,5790.18) 2655.19,5790.18 2655.19,5798.48 cw(c2663.39,5798.48) 2663.39,5806.67 2673.24,5806.67 ccw(c2673.24,5816.55) 2683.11,5816.55 2683.11,5821.48 ccw(c2673.24,5821.48) 2673.24,5831.36 2663.39,5831.36 cw(c2663.39,5839.55) 2655.19,5839.55 2655.19,5847.85 cw(c2663.39,5847.85) 2663.39,5856.04 2673.24,5856.04 ccw(c2673.24,5865.92) 2683.11,5865.92 2683.11,5870.85 ccw(c2673.24,5870.85) 2673.24,5880.73 2663.39,5880.73 cw(c2663.39,5888.92) 2655.19,5888.92 2655.19,5897.22 cw(c2663.39,5897.22) 2663.39,5905.41 2673.24,5905.41 ccw(c2673.24,5915.29) 2683.11,5915.29 2683.11,5920.22 ccw(c2673.24,5920.22) 2673.24,5930.1 2663.39,5930.1 cw(c2663.39,5938.29) 2655.19,5938.29 2655.19,5946.59 cw(c2663.39,5946.59) 2663.39,5954.78 2673.24,5954.78 ccw(c2673.24,5964.66) 2683.11,5964.66 2683.11,5969.59 ccw(c2673.24,5969.59) 2673.24,5979.47 2663.39,5979.47 cw(c2663.39,5987.66) 2655.19,5987.66 2655.19,5995.96 cw(c2663.39,5995.96) 2663.39,6004.15 2673.24,6004.15 ccw(c2673.24,6014.03) 2683.11,6014.03 2683.11,6018.96 ccw(c2673.24,6018.96) 2673.24,6028.84 2663.39,6028.84 cw(c2663.39,6037.03) 2655.19,6037.03 2655.19,6045.33 cw(c2663.39,6045.33) 2663.39,6053.52 2673.24,6053.52 ccw(c2673.24,6063.4) 2683.11,6063.4 2683.11,6068.33 ccw(c2673.24,6068.33) 2673.24,6078.21 cw(c2673.24,6088.06) 2663.39,6088.06 2663.39,6122.05 2647.74,6137.7 2647.74,6182.42 v1(2670.24,6204.92)